# Altium PCB WX0.000.863拼板.PcbDoc (part 4 of 15) (continued)
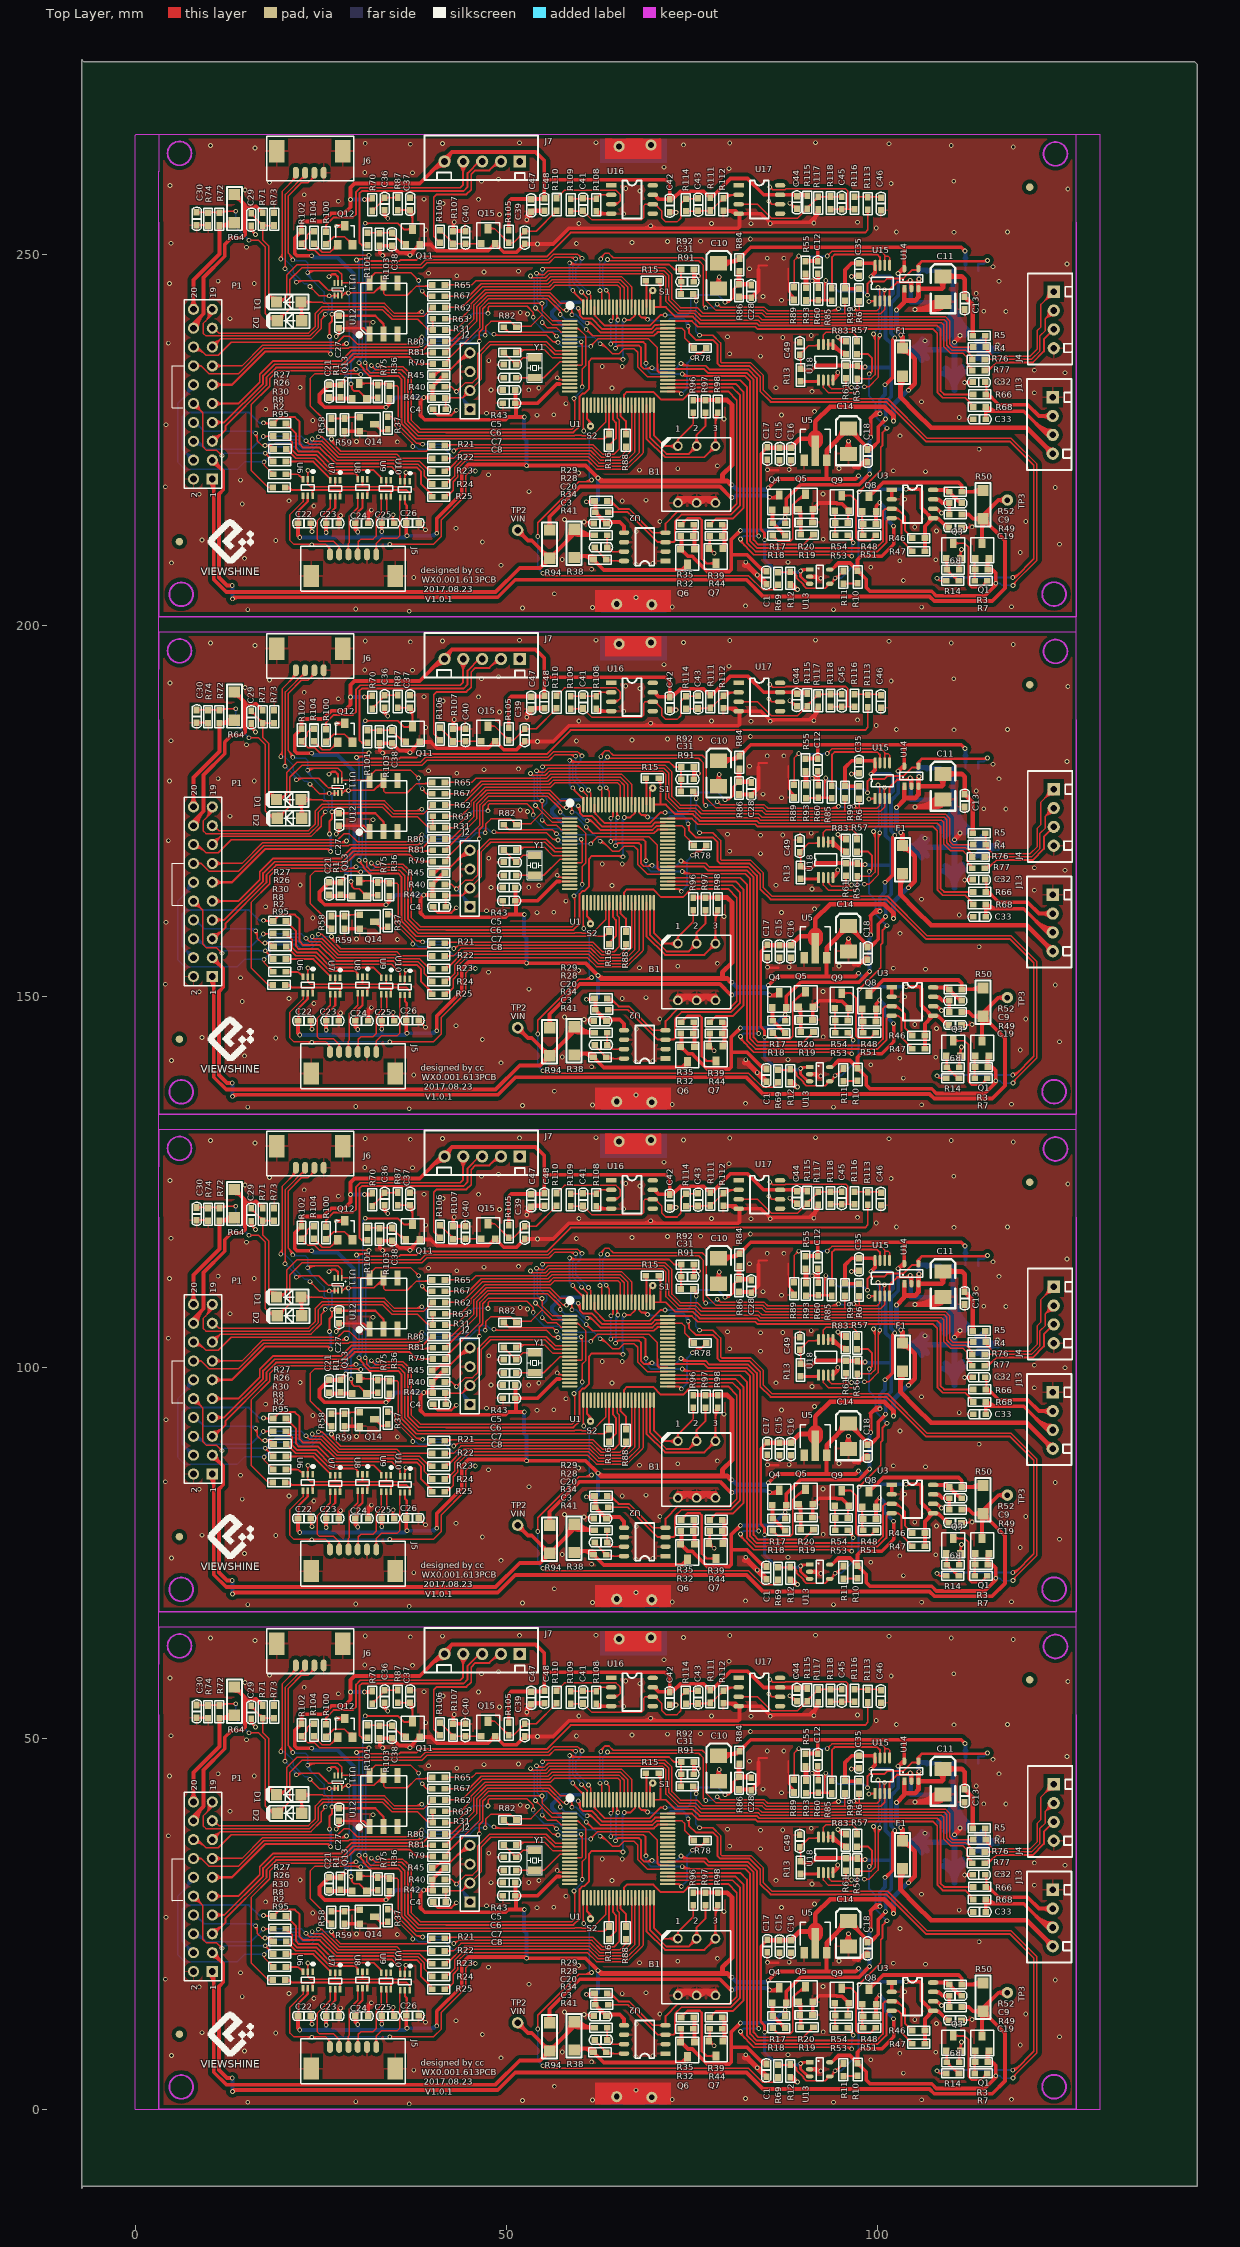
[diagram p0: Top Layer view]
## Nets (pads, with @x,y where several pads share a name; then routed paths per layer and width w, separated by ;. In a path a pad name is that pad's centre, name@x,y a point inside that pad or via, vN(x,y) a via of type N, cw(c..) or ccw(c..) an arc to the next point about the centre after c; other vN are vias at no path point) (continued)
; 33.73,219.238 cw(c33.605,219.113) 33.782,219.113 cw(c33.959,219.113) 33.834,219.238 ; 33.782,16.172 33.858,16.096 33.858,14.402 ; 33.782,18.372 33.782,17.476 ; 33.782,83.228 33.858,83.152 33.858,81.458 ; 33.782,85.428 33.782,84.532 ; 33.782,150.284 33.858,150.208 33.858,148.514 ; 33.782,152.484 33.782,151.588 ; 33.782,217.34 33.858,217.264 33.858,215.57 ; 33.782,219.54 33.782,218.644 ; 33.785,56.271 cw(c34.284,55.772) 34.284,56.477 cw(c34.284,57.182) 33.785,56.684 ; 33.785,123.327 cw(c34.284,122.828) 34.284,123.533 cw(c34.284,124.238) 33.785,123.74 ; 33.785,190.383 cw(c34.284,189.884) 34.284,190.589 cw(c34.284,191.294) 33.785,190.796 ; 33.785,257.439 cw(c34.284,256.94) 34.284,257.645 cw(c34.284,258.35) 33.785,257.852 ; 33.834,51.74 ccw(c33.834,52.488) 34.363,51.959 ; 33.834,118.796 ccw(c33.834,119.544) 34.363,119.015 ; 33.834,185.852 ccw(c33.834,186.6) 34.363,186.071 ; 33.834,252.908 ccw(c33.834,253.656) 34.363,253.127 ; 33.841,31.42 cw(c33.841,30.742) 34.32,31.221 ; 33.841,98.476 cw(c33.841,97.798) 34.32,98.277 ; 33.841,165.532 cw(c33.841,164.854) 34.32,165.333 ; 33.841,232.588 cw(c33.841,231.91) 34.32,232.389 ; 33.858,14.8 33.858,14.402 ; 33.858,81.856 33.858,81.458 ; 33.858,148.912 33.858,148.514 ; 33.858,215.968 33.858,215.57 ; 33.894,51.74 cw(c33.894,51.077) 34.363,51.546 ; 33.894,118.796 cw(c33.894,118.133) 34.363,118.602 ; 33.894,185.852 cw(c33.894,185.189) 34.363,185.658 ; 33.894,252.908 cw(c33.894,252.245) 34.363,252.714 ; 34.011,26.949 34.519,26.949 ; 34.011,94.005 34.519,94.005 ; 34.011,161.061 34.519,161.061 ; 34.011,228.117 34.519,228.117 ; 34.263,26.802 cw(c34.519,26.654) 34.519,26.949 ; 34.263,27.096 ccw(c34.519,27.245) 34.519,26.949 ; 34.263,93.858 cw(c34.519,93.71) 34.519,94.005 ; 34.263,94.152 ccw(c34.519,94.301) 34.519,94.005 ; 34.263,160.914 cw(c34.519,160.766) 34.519,161.061 ; 34.263,161.208 ccw(c34.519,161.357) 34.519,161.061 ; 34.263,227.97 cw(c34.519,227.822) 34.519,228.117 ; 34.263,228.264 ccw(c34.519,228.413) 34.519,228.117 ; v1(34.29,9.754) 40.183,9.754 41.25,10.82 41.25,13.06 44.536,16.347 44.536,19.009 45.136,19.609 45.822,19.609 v1(45.822,19.634) ; v1(34.29,76.81) 40.183,76.81 41.25,77.876 41.25,80.116 44.536,83.403 44.536,86.065 45.136,86.665 45.822,86.665 v1(45.822,86.69) ; v1(34.29,143.866) 40.183,143.866 41.25,144.932 41.25,147.172 44.536,150.459 44.536,153.121 45.136,153.721 45.822,153.721 v1(45.822,153.746) ; v1(34.29,210.922) 40.183,210.922 41.25,211.988 41.25,214.228 44.536,217.515 44.536,220.177 45.136,220.777 45.822,220.777 v1(45.822,220.802) ; v1@34.443,9.601 cw(c34.811,9.232) 34.811,9.754 cw(c34.811,10.275) v1@34.443,9.906 ; v1@34.443,76.657 cw(c34.811,76.288) 34.811,76.81 cw(c34.811,77.331) v1@34.443,76.962 ; v1@34.443,143.713 cw(c34.811,143.344) 34.811,143.866 cw(c34.811,144.387) v1@34.443,144.018 ; v1@34.443,210.769 cw(c34.811,210.4) 34.811,210.922 cw(c34.811,211.443) v1@34.443,211.074 ; 34.446,30.883 cw(c34.944,30.384) 34.944,31.09 cw(c34.944,31.795) 34.446,31.296 ; 34.446,97.939 cw(c34.944,97.44) 34.944,98.146 cw(c34.944,98.851) 34.446,98.352 ; 34.446,164.995 cw(c34.944,164.496) 34.944,165.202 cw(c34.944,165.907) 34.446,165.408 ; 34.446,232.051 cw(c34.944,231.552) 34.944,232.258 cw(c34.944,232.963) 34.446,232.464 ; 34.569,51.359 cw(c34.569,50.531) 35.155,51.116 ; 34.569,118.415 cw(c34.569,117.587) 35.155,118.172 ; 34.569,185.471 cw(c34.569,184.643) 35.155,185.228 ; 34.569,252.527 cw(c34.569,251.699) 35.155,252.284 ; 34.622,56.477 ccw(c34.622,57.225) 35.15,56.696 ; 34.622,123.533 ccw(c34.622,124.281) 35.15,123.752 ; 34.622,190.589 ccw(c34.622,191.337) 35.15,190.808 ; 34.622,257.645 ccw(c34.622,258.393) 35.15,257.864 ; 34.682,56.477 cw(c34.682,55.815) 35.15,56.283 ; 34.682,123.533 cw(c34.682,122.871) 35.15,123.339 ; 34.682,190.589 cw(c34.682,189.927) 35.15,190.395 ; 34.682,257.645 cw(c34.682,256.983) 35.15,257.451 ; 34.861,51.651 ccw(c35.444,51.651) 35.032,51.239 ; 34.861,118.707 ccw(c35.444,118.707) 35.032,118.295 ; 34.861,185.763 ccw(c35.444,185.763) 35.032,185.351 ; 34.861,252.819 ccw(c35.444,252.819) 35.032,252.407 ; 35.274,50.997 ccw(c36.424,52.146) 36.424,50.521 ; 35.274,118.053 ccw(c36.424,119.202) 36.424,117.577 ; 35.274,185.109 ccw(c36.424,186.258) 36.424,184.633 ; 35.274,252.165 ccw(c36.424,253.314) 36.424,251.689 ; 35.621,50.65 ccw(c36.424,51.452) 36.424,50.317 ; 35.621,117.706 ccw(c36.424,118.508) 36.424,117.373 ; 35.621,184.762 ccw(c36.424,185.564) 36.424,184.429 ; 35.621,251.818 ccw(c36.424,252.62) 36.424,251.485 ; 35.657,15.581 cw(c35.886,15.581) 35.724,15.743 ; 35.657,82.637 cw(c35.886,82.637) 35.724,82.799 ; 35.657,149.693 cw(c35.886,149.693) 35.724,149.855 ; 35.657,216.749 cw(c35.886,216.749) 35.724,216.911 ; 35.968,50.303 ccw(c36.424,50.759) 36.424,50.114 ; 35.968,117.359 ccw(c36.424,117.815) 36.424,117.17 ; 35.968,184.415 ccw(c36.424,184.871) 36.424,184.226 ; 35.968,251.471 ccw(c36.424,251.927) 36.424,251.282 ; 36.27,17.943 cw(c36.145,17.818) 36.322,17.818 cw(c36.499,17.818) 36.374,17.943 ; 36.27,18.547 ccw(c36.145,18.672) 36.322,18.672 ccw(c36.499,18.672) 36.374,18.547 ; 36.27,84.999 cw(c36.145,84.874) 36.322,84.874 cw(c36.499,84.874) 36.374,84.999 ; 36.27,85.603 ccw(c36.145,85.728) 36.322,85.728 ccw(c36.499,85.728) 36.374,85.603 ; 36.27,152.055 cw(c36.145,151.93) 36.322,151.93 cw(c36.499,151.93) 36.374,152.055 ; 36.27,152.659 ccw(c36.145,152.784) 36.322,152.784 ccw(c36.499,152.784) 36.374,152.659 ; 36.27,219.111 cw(c36.145,218.986) 36.322,218.986 cw(c36.499,218.986) 36.374,219.111 ; 36.27,219.715 ccw(c36.145,219.84) 36.322,219.84 ccw(c36.499,219.84) 36.374,219.715 ; 36.322,18.578 cw(c37.277,18.578) v1@36.602,19.253 ; 36.322,19.068 cw(c36.786,19.068) v1@36.458,19.397 ; 36.322,85.634 cw(c37.277,85.634) v1@36.602,86.309 ; 36.322,86.124 cw(c36.786,86.124) v1@36.458,86.453 ; 36.322,152.69 cw(c37.277,152.69) v1@36.602,153.365 ; 36.322,153.18 cw(c36.786,153.18) v1@36.458,153.509 ; 36.322,219.746 cw(c37.277,219.746) v1@36.602,220.421 ; 36.322,220.236 cw(c36.786,220.236) v1@36.458,220.565 ; v1(36.449,19.406) 36.424,19.431 36.322,19.329 36.322,18.245 36.322,17.704 36.094,17.476 33.782,17.476 ; v1(36.449,86.462) 36.424,86.487 36.322,86.385 36.322,85.301 36.322,84.76 36.094,84.532 33.782,84.532 ; v1(36.449,153.518) 36.424,153.543 36.322,153.441 36.322,152.357 36.322,151.816 36.094,151.588 33.782,151.588 ; v1(36.449,220.574) 36.424,220.599 36.322,220.497 36.322,219.413 36.322,218.872 36.094,218.644 33.782,218.644 ; v1(37.389,22.936) 37.287,23.038 37.287,23.394 ; v1(37.389,89.992) 37.287,90.094 37.287,90.45 ; v1(37.389,157.048) 37.287,157.15 37.287,157.506 ; v1(37.389,224.104) 37.287,224.206 37.287,224.562 ; v1@37.465,23.138 cw(c37.561,23.394) 37.287,23.394 ; v1@37.465,90.194 cw(c37.561,90.45) 37.287,90.45 ; v1@37.465,157.25 cw(c37.561,157.506) 37.287,157.506 ; v1@37.465,224.306 cw(c37.561,224.562) 37.287,224.562 ; 37.53,40.864 ccw(c37.53,42.166) v1@38.45,41.245 ; 37.53,107.92 ccw(c37.53,109.222) v1@38.45,108.301 ; 37.53,174.976 ccw(c37.53,176.278) v1@38.45,175.357 ; 37.53,242.032 ccw(c37.53,243.334) v1@38.45,242.413 ; v1@37.96,45.288 ccw(c37.439,45.288) 37.808,45.657 ccw(c38.176,46.025) v1@38.176,45.504 ; v1@37.96,112.344 ccw(c37.439,112.344) 37.808,112.713 ccw(c38.176,113.081) v1@38.176,112.56 ; v1@37.96,179.4 ccw(c37.439,179.4) 37.808,179.769 ccw(c38.176,180.137) v1@38.176,179.616 ; v1@37.96,246.456 ccw(c37.439,246.456) 37.808,246.825 ccw(c38.176,247.193) v1@38.176,246.672 ; 37.979,37.192 cw(c38.608,36.563) v1@38.608,37.452 ; 37.979,104.248 cw(c38.608,103.619) v1@38.608,104.508 ; 37.979,171.304 cw(c38.608,170.675) v1@38.608,171.564 ; 37.979,238.36 cw(c38.608,237.731) v1@38.608,238.62 ; 38.02,40.864 ccw(c38.02,41.675) v1@38.594,41.101 ; 38.02,107.92 ccw(c38.02,108.731) v1@38.594,108.157 ; 38.02,174.976 ccw(c38.02,175.787) v1@38.594,175.213 ; 38.02,242.032 ccw(c38.02,242.843) v1@38.594,242.269 ; 38.202,12.624 39.09,11.735 v1(39.09,11.709) ; 38.202,79.68 39.09,78.791 v1(39.09,78.765) ; 38.202,146.736 39.09,145.847 v1(39.09,145.821) ; 38.202,213.792 39.09,212.903 v1(39.09,212.877) ; 38.252,12.332 cw(c38.252,11.749) 38.664,12.161 ; 38.252,79.388 cw(c38.252,78.805) 38.664,79.217 ; 38.252,146.444 cw(c38.252,145.861) 38.664,146.273 ; 38.252,213.5 cw(c38.252,212.917) 38.664,213.329 ; v1@38.316,36.672 cw(c37.838,36.66) 38.176,36.322 ; v1@38.316,103.728 cw(c37.838,103.716) 38.176,103.378 ; v1@38.316,170.784 cw(c37.838,170.772) 38.176,170.434 ; v1@38.316,237.84 cw(c37.838,237.828) 38.176,237.49 ; 38.382,23.343 cw(c38.382,22.902) v1@38.7,23.207 ; 38.382,90.399 cw(c38.382,89.958) v1@38.7,90.263 ; 38.382,157.455 cw(c38.382,157.014) v1@38.7,157.319 ; 38.382,224.511 cw(c38.382,224.07) v1@38.7,224.375 ; v1@38.526,36.462 ccw(c38.514,35.984) 38.176,36.322 ; v1@38.526,103.518 ccw(c38.514,103.04) 38.176,103.378 ; v1@38.526,170.574 ccw(c38.514,170.096) 38.176,170.434 ; v1@38.526,237.63 ccw(c38.514,237.152) 38.176,237.49 ; v1(38.532,36.678) 38.176,36.322 ; v1(38.532,103.734) 38.176,103.378 ; v1(38.532,170.79) 38.176,170.434 ; v1(38.532,237.846) 38.176,237.49 ; 38.545,12.624 ccw(c39.372,12.624) 38.787,12.038 ; 38.545,79.68 ccw(c39.372,79.68) 38.787,79.094 ; 38.545,146.736 ccw(c39.372,146.736) 38.787,146.15 ; 38.545,213.792 ccw(c39.372,213.792) 38.787,213.206 ; v1@38.554,23.066 ccw(c37.907,22.447) 37.907,23.343 ; v1@38.554,90.122 ccw(c37.907,89.503) 37.907,90.399 ; v1@38.554,157.178 ccw(c37.907,156.559) 37.907,157.455 ; v1@38.554,224.234 ccw(c37.907,223.615) 37.907,224.511 ; v1@38.659,43.65 cw(c38.659,43.374) 38.854,43.569 ; v1(38.659,43.866) 38.659,43.764 39.245,43.178 40.025,43.178 ; v1@38.659,110.706 cw(c38.659,110.43) 38.854,110.625 ; v1(38.659,110.922) 38.659,110.82 39.245,110.234 40.025,110.234 ; v1@38.659,177.762 cw(c38.659,177.486) 38.854,177.681 ; v1(38.659,177.978) 38.659,177.876 39.245,177.29 40.025,177.29 ; v1@38.659,244.818 cw(c38.659,244.542) 38.854,244.737 ; v1(38.659,245.034) 38.659,244.932 39.245,244.346 40.025,244.346 ; 38.703,12.122 cw(c38.291,11.709) v1@38.874,11.709 ; 38.703,79.178 cw(c38.291,78.765) v1@38.874,78.765 ; 38.703,146.234 cw(c38.291,145.821) v1@38.874,145.821 ; 38.703,213.29 cw(c38.291,212.877) v1@38.874,212.877 ; v1(38.71,23.216) 38.71,23.343 37.907,23.343 ; v1(38.71,90.272) 38.71,90.399 37.907,90.399 ; v1(38.71,157.328) 38.71,157.455 37.907,157.455 ; v1(38.71,224.384) 38.71,224.511 37.907,224.511 ; 38.766,12.06 ccw(c39.09,12.384) v1@39.09,11.925 ; 38.766,79.116 ccw(c39.09,79.44) v1@39.09,78.981 ; 38.766,146.172 ccw(c39.09,146.496) v1@39.09,146.037 ; 38.766,213.228 ccw(c39.09,213.552) v1@39.09,213.093 ; v1@38.875,43.866 ccw(c39.641,43.866) 39.099,43.324 ; v1@38.875,110.922 ccw(c39.641,110.922) 39.099,110.38 ; v1@38.875,177.978 ccw(c39.641,177.978) 39.099,177.436 ; v1@38.875,245.034 ccw(c39.641,245.034) 39.099,244.492 ; 38.901,44.552 ccw(c38.901,45.777) 39.767,44.911 ; 38.901,111.608 ccw(c38.901,112.833) 39.767,111.967 ; 38.901,178.664 ccw(c38.901,179.889) 39.767,179.023 ; 38.901,245.72 ccw(c38.901,246.945) 39.767,246.079 ; 38.914,20.319 ccw(c39.954,21.359) 39.954,19.888 ; 38.914,87.375 ccw(c39.954,88.415) 39.954,86.944 ; 38.914,154.431 ccw(c39.954,155.471) 39.954,154 ; 38.914,221.487 ccw(c39.954,222.527) 39.954,221.056 ; 39.261,19.972 ccw(c39.954,20.665) 39.954,19.685 ; 39.261,87.028 ccw(c39.954,87.721) 39.954,86.741 ; 39.261,154.084 ccw(c39.954,154.777) 39.954,153.797 ; 39.261,221.14 ccw(c39.954,221.833) 39.954,220.853 ; 39.391,44.552 ccw(c39.391,45.287) 39.911,44.767 ; 39.391,111.608 ccw(c39.391,112.343) 39.911,111.823 ; 39.391,178.664 ccw(c39.391,179.399) 39.911,178.879 ; 39.391,245.72 ccw(c39.391,246.455) 39.911,245.935 ; 39.42,18.46 cw(c38.834,17.875) 39.662,17.875 ; 39.42,22.452 ccw(c38.834,23.037) 39.662,23.037 ; 39.42,85.516 cw(c38.834,84.931) 39.662,84.931 ; 39.42,89.508 ccw(c38.834,90.093) 39.662,90.093 ; 39.42,152.572 cw(c38.834,151.987) 39.662,151.987 ; 39.42,156.564 ccw(c38.834,157.149) 39.662,157.149 ; 39.42,219.628 cw(c38.834,219.043) 39.662,219.043 ; 39.42,223.62 ccw(c38.834,224.205) 39.662,224.205 ; 39.458,41.074 ccw(c38.855,41.677) 39.707,41.677 ; 39.458,108.13 ccw(c38.855,108.733) 39.707,108.733 ; 39.458,175.186 ccw(c38.855,175.789) 39.707,175.789 ; 39.458,242.242 ccw(c38.855,242.845) 39.707,242.845 ; 39.542,18.338 ccw(c39.954,18.75) 39.954,18.167 ; 39.542,22.575 cw(c39.954,22.163) 39.954,22.745 ; 39.542,85.394 ccw(c39.954,85.806) 39.954,85.223 ; 39.542,89.631 cw(c39.954,89.219) 39.954,89.801 ; 39.542,152.45 ccw(c39.954,152.862) 39.954,152.279 ; 39.542,156.687 cw(c39.954,156.275) 39.954,156.857 ; 39.542,219.506 ccw(c39.954,219.918) 39.954,219.335 ; 39.542,223.743 cw(c39.954,223.331) 39.954,223.913 ; 39.593,38.811 cw(c39.593,38.463) 39.917,38.591 ; 39.593,105.867 cw(c39.593,105.519) 39.917,105.647 ; 39.593,172.923 cw(c39.593,172.575) 39.917,172.703 ; 39.593,239.979 cw(c39.593,239.631) 39.917,239.759 ; 39.605,41.221 cw(c39.999,40.827) 39.999,41.385 ; 39.605,108.277 cw(c39.999,107.883) 39.999,108.441 ; 39.605,175.333 cw(c39.999,174.939) 39.999,175.497 ; 39.605,242.389 cw(c39.999,241.995) 39.999,242.553 ; 39.728,38.516 ccw(c39.294,38.344) 39.294,38.811 ; 39.728,105.572 ccw(c39.294,105.4) 39.294,105.867 ; 39.728,172.628 ccw(c39.294,172.456) 39.294,172.923 ; 39.728,239.684 ccw(c39.294,239.512) 39.294,239.979 ; 39.748,21.11 ccw(c39.249,20.611) 39.249,21.317 ccw(c39.249,22.022) 39.748,21.523 ; 39.748,88.166 ccw(c39.249,87.667) 39.249,88.373 ccw(c39.249,89.078) 39.748,88.579 ; 39.748,155.222 ccw(c39.249,154.723) 39.249,155.429 ccw(c39.249,156.134) 39.748,155.635 ; 39.748,222.278 ccw(c39.249,221.779) 39.249,222.485 ccw(c39.249,223.19) 39.748,222.691 ; 39.767,42.971 ccw(c39.269,42.472) 39.269,43.178 ccw(c39.269,43.883) 39.767,43.384 ; 39.767,110.027 ccw(c39.269,109.528) 39.269,110.234 ccw(c39.269,110.939) 39.767,110.44 ; 39.767,177.083 ccw(c39.269,176.584) 39.269,177.29 ccw(c39.269,177.995) 39.767,177.496 ; 39.767,244.139 ccw(c39.269,243.64) 39.269,244.346 ccw(c39.269,245.051) 39.767,244.552 ; 39.844,38.831 ccw(c39.345,39.329) 40.05,39.329 ccw(c40.755,39.329) 40.257,38.831 ; 39.844,39.944 cw(c39.345,39.445) 40.05,39.445 cw(c40.755,39.445) 40.257,39.944 ; 39.844,105.887 ccw(c39.345,106.385) 40.05,106.385 ccw(c40.755,106.385) 40.257,105.887 ; 39.844,107 cw(c39.345,106.501) 40.05,106.501 cw(c40.755,106.501) 40.257,107 ; 39.844,172.943 ccw(c39.345,173.441) 40.05,173.441 ccw(c40.755,173.441) 40.257,172.943 ; 39.844,174.056 cw(c39.345,173.557) 40.05,173.557 cw(c40.755,173.557) 40.257,174.056 ; 39.844,239.999 ccw(c39.345,240.497) 40.05,240.497 ccw(c40.755,240.497) 40.257,239.999 ; 39.844,241.112 cw(c39.345,240.613) 40.05,240.613 cw(c40.755,240.613) 40.257,241.112 ; 40.025,44.704 39.872,44.552 37.897,44.552 36.652,43.307 33.706,43.307 33.452,43.561 33.452,44.977 32.112,43.637 28.296,43.637 ; 40.025,111.76 39.872,111.608 37.897,111.608 36.652,110.363 33.706,110.363 33.452,110.617 33.452,112.033 32.112,110.693 28.296,110.693 ; 40.025,178.816 39.872,178.664 37.897,178.664 36.652,177.419 33.706,177.419 33.452,177.673 33.452,179.089 32.112,177.749 28.296,177.749 ; 40.025,245.872 39.872,245.72 37.897,245.72 36.652,244.475 33.706,244.475 33.452,244.729 33.452,246.145 32.112,244.805 28.296,244.805 ; 40.05,38.624 40.05,40.061 ; 40.05,38.811 39.878,38.811 39.726,38.811 39.294,38.811 ; 40.05,105.68 40.05,107.117 ; 40.05,105.867 39.878,105.867 39.726,105.867 39.294,105.867 ; 40.05,172.736 40.05,174.173 ; 40.05,172.923 39.878,172.923 39.726,172.923 39.294,172.923 ; 40.05,239.792 40.05,241.229 ; 40.05,239.979 39.878,239.979 39.726,239.979 39.294,239.979 ; 40.259,21.317 40.005,21.317 35.798,21.317 35.24,21.874 27.514,21.874 25.157,24.232 ; 40.259,88.373 40.005,88.373 35.798,88.373 35.24,88.93 27.514,88.93 25.157,91.288 ; 40.259,155.429 40.005,155.429 35.798,155.429 35.24,155.986 27.514,155.986 25.157,158.344 ; 40.259,222.485 40.005,222.485 35.798,222.485 35.24,223.042 27.514,223.042 25.157,225.4 ; 41.046,51.752 cw(c41.046,50.925) 41.632,51.51 ; 41.046,52.095 42.824,50.317 42.824,50.216 42.863,50.254 44.475,50.254 46.571,50.254 46.584,50.267 ; 41.046,118.808 cw(c41.046,117.981) 41.632,118.566 ; 41.046,119.151 42.824,117.373 42.824,117.272 42.863,117.31 44.475,117.31 46.571,117.31 46.584,117.323 ; 41.046,185.864 cw(c41.046,185.037) 41.632,185.622 ; 41.046,186.207 42.824,184.429 42.824,184.328 42.863,184.366 44.475,184.366 46.571,184.366 46.584,184.379 ; 41.046,252.92 cw(c41.046,252.093) 41.632,252.678 ; 41.046,253.263 42.824,251.485 42.824,251.384 42.863,251.422 44.475,251.422 46.571,251.422 46.584,251.435 ; 41.338,52.045 ccw(c41.921,52.045) 41.509,51.633 ; 41.338,119.101 ccw(c41.921,119.101) 41.509,118.689 ; 41.338,186.157 ccw(c41.921,186.157) 41.509,185.745 ; 41.338,253.213 ccw(c41.921,253.213) 41.509,252.801 ; 41.596,29.26 cw(c41.075,28.739) 41.812,28.739 ; 41.596,96.316 cw(c41.075,95.795) 41.812,95.795 ; 41.596,163.372 cw(c41.075,162.851) 41.812,162.851 ; 41.596,230.428 cw(c41.075,229.907) 41.812,229.907 ; 41.6,28.147 ccw(c41.088,28.659) 41.812,28.659 ; 41.6,95.203 ccw(c41.088,95.715) 41.812,95.715 ; 41.6,162.259 ccw(c41.088,162.771) 41.812,162.771 ; 41.6,229.315 ccw(c41.088,229.827) 41.812,229.827 ; 41.707,21.317 42.856,21.317 43.881,22.342 46.914,22.342 ; 41.707,23.037 41.814,23.144 46.101,23.144 ; 41.707,88.373 42.856,88.373 43.881,89.398 46.914,89.398 ; 41.707,90.093 41.814,90.2 46.101,90.2 ; 41.707,155.429 42.856,155.429 43.881,156.454 46.914,156.454 ; 41.707,157.149 41.814,157.256 46.101,157.256 ; 41.707,222.485 42.856,222.485 43.881,223.51 46.914,223.51 ; 41.707,224.205 41.814,224.312 46.101,224.312 ; 41.727,30.988 42.596,30.988 v1(43.256,30.328) 44.475,31.547 45.441,31.547 46.135,32.241 46.135,35.467 47.727,37.059 ; 41.727,43.178 44.922,43.178 46.6,44.856 55.608,44.856 56.183,45.43 60.35,45.43 65.335,45.43 66.375,44.391 66.375,41.703 ; 41.727,44.704 43.485,44.704 45.339,44.704 45.893,45.258 55.397,45.258 55.971,45.832 58.496,45.832 65.502,45.832 66.777,44.557 66.777,44.549 66.875,44.45 66.875,41.703 ; 41.727,98.044 42.596,98.044 v1(43.256,97.384) 44.475,98.603 45.441,98.603 46.135,99.297 46.135,102.523 47.727,104.115 ; 41.727,110.234 44.922,110.234 46.6,111.912 55.608,111.912 56.183,112.486 60.35,112.486 65.335,112.486 66.375,111.447 66.375,108.759 ; 41.727,111.76 43.485,111.76 45.339,111.76 45.893,112.314 55.397,112.314 55.971,112.888 58.496,112.888 65.502,112.888 66.777,111.613 66.777,111.605 66.875,111.506 66.875,108.759 ; 41.727,165.1 42.596,165.1 v1(43.256,164.44) 44.475,165.659 45.441,165.659 46.135,166.353 46.135,169.579 47.727,171.171 ; 41.727,177.29 44.922,177.29 46.6,178.968 55.608,178.968 56.183,179.542 60.35,179.542 65.335,179.542 66.375,178.503 66.375,175.815 ; 41.727,178.816 43.485,178.816 45.339,178.816 45.893,179.37 55.397,179.37 55.971,179.944 58.496,179.944 65.502,179.944 66.777,178.669 66.777,178.661 66.875,178.562 66.875,175.815 ; 41.727,232.156 42.596,232.156 v1(43.256,231.496) 44.475,232.715 45.441,232.715 46.135,233.409 46.135,236.635 47.727,238.227 ; 41.727,244.346 44.922,244.346 46.6,246.024 55.608,246.024 56.183,246.598 60.35,246.598 65.335,246.598 66.375,245.559 66.375,242.871 ; 41.727,245.872 43.485,245.872 45.339,245.872 45.893,246.426 55.397,246.426 55.971,247 58.496,247 65.502,247 66.777,245.725 66.777,245.717 66.875,245.618 66.875,242.871 ; 41.752,34.036 41.752,34.298 46.426,38.972 46.426,41.67 47.606,42.85 55.55,42.85 57.251,41.148 ; 41.752,37.211 42.711,37.211 45.623,40.124 45.623,42.002 47.274,43.652 55.882,43.652 57.273,42.262 58.322,42.262 58.826,41.758 v1(58.826,40.691) v1@58.707,40.81 ; 41.752,38.624 43.145,38.624 45.006,40.485 v1(45.006,40.425) ; 41.752,40.15 43.859,40.15 45.222,41.514 45.222,42.169 47.107,44.054 55.941,44.054 56.515,44.628 64.999,44.628 65.375,44.251 65.375,41.703 65.375,42.803 ; 41.752,41.677 43.988,41.677 46.766,44.455 55.775,44.455 56.349,45.029 65.169,45.029 65.875,44.323 65.875,41.703 ; 41.752,101.092 41.752,101.354 46.426,106.028 46.426,108.726 47.606,109.906 55.55,109.906 57.251,108.204 ; 41.752,104.267 42.711,104.267 45.623,107.18 45.623,109.058 47.274,110.708 55.882,110.708 57.273,109.318 58.322,109.318 58.826,108.814 v1(58.826,107.747) v1@58.707,107.866 ; 41.752,105.68 43.145,105.68 45.006,107.541 v1(45.006,107.481) ; 41.752,107.206 43.859,107.206 45.222,108.57 45.222,109.225 47.107,111.11 55.941,111.11 56.515,111.684 64.999,111.684 65.375,111.307 65.375,108.759 65.375,109.859 ; 41.752,108.733 43.988,108.733 46.766,111.511 55.775,111.511 56.349,112.085 65.169,112.085 65.875,111.379 65.875,108.759 ; 41.752,168.148 41.752,168.41 46.426,173.084 46.426,175.782 47.606,176.962 55.55,176.962 57.251,175.26 ; 41.752,171.323 42.711,171.323 45.623,174.236 45.623,176.114 47.274,177.764 55.882,177.764 57.273,176.374 58.322,176.374 58.826,175.87 v1(58.826,174.803) v1@58.707,174.922 ; 41.752,172.736 43.145,172.736 45.006,174.597 v1(45.006,174.537) ; 41.752,174.262 43.859,174.262 45.222,175.626 45.222,176.281 47.107,178.166 55.941,178.166 56.515,178.74 64.999,178.74 65.375,178.363 65.375,175.815 65.375,176.915 ; 41.752,175.789 43.988,175.789 46.766,178.567 55.775,178.567 56.349,179.141 65.169,179.141 65.875,178.435 65.875,175.815 ; 41.752,235.204 41.752,235.466 46.426,240.14 46.426,242.838 47.606,244.018 55.55,244.018 57.251,242.316 ; 41.752,238.379 42.711,238.379 45.623,241.292 45.623,243.17 47.274,244.82 55.882,244.82 57.273,243.43 58.322,243.43 58.826,242.926 v1(58.826,241.859) v1@58.707,241.978 ; 41.752,239.792 43.145,239.792 45.006,241.653 v1(45.006,241.593) ; 41.752,241.318 43.859,241.318 45.222,242.682 45.222,243.337 47.107,245.222 55.941,245.222 56.515,245.796 64.999,245.796 65.375,245.419 65.375,242.871 65.375,243.971 ; 41.752,242.845 43.988,242.845 46.766,245.623 55.775,245.623 56.349,246.197 65.169,246.197 65.875,245.491 65.875,242.871 ; 41.758,16.243 ccw(c41.758,16.948) 42.256,16.449 ; 41.758,16.446 ccw(c41.758,17.642) 42.603,16.796 ; 41.758,17.964 ccw(c41.758,18.669) 42.256,18.17 ; 41.758,18.167 ccw(c41.758,19.363) 42.603,18.517 ; 41.758,19.685 ccw(c41.758,20.39) 42.256,19.891 ; 41.758,19.888 ccw(c41.758,21.084) 42.603,20.238 ; 41.758,35.566 46.025,39.833 46.025,41.836 47.44,43.251 55.716,43.251 57.641,41.326 ; 41.758,83.299 ccw(c41.758,84.004) 42.256,83.505 ; 41.758,83.502 ccw(c41.758,84.698) 42.603,83.852 ; 41.758,85.02 ccw(c41.758,85.725) 42.256,85.226 ; 41.758,85.223 ccw(c41.758,86.419) 42.603,85.573 ; 41.758,86.741 ccw(c41.758,87.446) 42.256,86.947 ; 41.758,86.944 ccw(c41.758,88.14) 42.603,87.294 ; 41.758,102.622 46.025,106.889 46.025,108.892 47.44,110.307 55.716,110.307 57.641,108.382 ; 41.758,150.355 ccw(c41.758,151.06) 42.256,150.561 ; 41.758,150.558 ccw(c41.758,151.754) 42.603,150.908 ; 41.758,152.076 ccw(c41.758,152.781) 42.256,152.282 ; 41.758,152.279 ccw(c41.758,153.475) 42.603,152.629 ; 41.758,153.797 ccw(c41.758,154.502) 42.256,154.003 ; 41.758,154 ccw(c41.758,155.196) 42.603,154.35 ; 41.758,169.678 46.025,173.945 46.025,175.948 47.44,177.363 55.716,177.363 57.641,175.438 ; 41.758,217.411 ccw(c41.758,218.116) 42.256,217.617 ; 41.758,217.614 ccw(c41.758,218.81) 42.603,217.964 ; 41.758,219.132 ccw(c41.758,219.837) 42.256,219.338 ; 41.758,219.335 ccw(c41.758,220.531) 42.603,219.685 ; 41.758,220.853 ccw(c41.758,221.558) 42.256,221.059 ; 41.758,221.056 ccw(c41.758,222.252) 42.603,221.406 ; 41.758,236.734 46.025,241.001 46.025,243.004 47.44,244.419 55.716,244.419 57.641,242.494 ; 41.803,35.864 ccw(c41.803,36.474) 42.234,36.042 ; 41.803,102.92 ccw(c41.803,103.53) 42.234,103.098 ; 41.803,169.976 ccw(c41.803,170.586) 42.234,170.154 ; 41.803,237.032 ccw(c41.803,237.642) 42.234,237.21 ; 41.812,27.94 41.812,29.404 41.752,29.464 44.069,29.464 ; 41.812,28.632 ccw(c42.498,28.632) 42.013,28.147 ; 41.812,28.783 cw(c42.486,28.783) 42.009,29.26 cw(c42.502,28.767) 42.502,29.464 ; 41.812,94.996 41.812,96.46 41.752,96.52 44.069,96.52 ; 41.812,95.688 ccw(c42.498,95.688) 42.013,95.203 ; 41.812,95.839 cw(c42.486,95.839) 42.009,96.316 cw(c42.502,95.823) 42.502,96.52 ; 41.812,162.052 41.812,163.516 41.752,163.576 44.069,163.576 ; 41.812,162.744 ccw(c42.498,162.744) 42.013,162.259 ; 41.812,162.895 cw(c42.486,162.895) 42.009,163.372 cw(c42.502,162.879) 42.502,163.576 ; 41.812,229.108 41.812,230.572 41.752,230.632 44.069,230.632 ; 41.812,229.8 ccw(c42.498,229.8) 42.013,229.315 ; 41.812,229.951 cw(c42.486,229.951) 42.009,230.428 cw(c42.502,229.935) 42.502,230.632 ; 41.82,22.975 cw(c42.231,22.564) 42.231,23.144 ; 41.82,90.031 cw(c42.231,89.62) 42.231,90.2 ; 41.82,157.087 cw(c42.231,156.676) 42.231,157.256 ; 41.82,224.143 cw(c42.231,223.732) 42.231,224.312 ; 41.869,37.038 cw(c42.255,36.692) 42.255,37.211 ; 41.869,104.094 cw(c42.255,103.748) 42.255,104.267 ; 41.869,171.15 cw(c42.255,170.804) 42.255,171.323 ; 41.869,238.206 cw(c42.255,237.86) 42.255,238.379 ; 41.892,34.045 cw(c42.839,34.045) 42.169,34.715 ; 41.892,101.101 cw(c42.839,101.101) 42.169,101.771 ; 41.892,168.157 cw(c42.839,168.157) 42.169,168.827 ; 41.892,235.213 cw(c42.839,235.213) 42.169,235.883 ; 41.961,16.154 42.824,17.018 42.824,18.171 43.429,18.775 43.429,19.929 44.557,21.057 48.285,21.057 ; 41.961,17.875 43.028,18.942 43.028,20.095 44.472,21.539 48.158,21.539 ; 41.961,19.596 44.306,21.941 47.6,21.941 ; 41.961,83.21 42.824,84.074 42.824,85.227 43.429,85.831 43.429,86.985 44.557,88.113 48.285,88.113 ; 41.961,84.931 43.028,85.998 43.028,87.151 44.472,88.595 48.158,88.595 ; 41.961,86.652 44.306,88.997 47.6,88.997 ; 41.961,150.266 42.824,151.13 42.824,152.283 43.429,152.887 43.429,154.041 44.557,155.169 48.285,155.169 ; 41.961,151.987 43.028,153.054 43.028,154.207 44.472,155.651 48.158,155.651 ; 41.961,153.708 44.306,156.053 47.6,156.053 ; 41.961,217.322 42.824,218.186 42.824,219.339 43.429,219.943 43.429,221.097 44.557,222.225 48.285,222.225 ; 41.961,219.043 43.028,220.11 43.028,221.263 44.472,222.707 48.158,222.707 ; 41.961,220.764 44.306,223.109 47.6,223.109 ; 41.964,21.11 cw(c42.463,20.611) 42.463,21.317 cw(c42.463,22.022) 41.964,21.523 ; 41.964,22.831 cw(c42.721,22.074) 42.721,23.144 ; 41.964,23.244 ccw(c42.204,23.484) 42.204,23.144 ; 41.964,88.166 cw(c42.463,87.667) 42.463,88.373 cw(c42.463,89.078) 41.964,88.579 ; 41.964,89.887 cw(c42.721,89.13) 42.721,90.2 ; 41.964,90.3 ccw(c42.204,90.54) 42.204,90.2 ; 41.964,155.222 cw(c42.463,154.723) 42.463,155.429 cw(c42.463,156.134) 41.964,155.635 ; 41.964,156.943 cw(c42.721,156.186) 42.721,157.256 ; 41.964,157.356 ccw(c42.204,157.596) 42.204,157.256 ; 41.964,222.278 cw(c42.463,221.779) 42.463,222.485 cw(c42.463,223.19) 41.964,222.691 ; 41.964,223.999 cw(c42.721,223.242) 42.721,224.312 ; 41.964,224.412 ccw(c42.204,224.652) 42.204,224.312 ; 41.984,30.761 cw(c42.533,30.212) 42.533,30.988 ; 41.984,31.174 ccw(c42.432,31.622) 42.432,30.988 ; 41.984,42.971 cw(c42.483,42.472) 42.483,43.178 cw(c42.483,43.883) 41.984,43.384 ; 41.984,44.497 cw(c42.483,43.999) 42.483,44.704 cw(c42.483,45.409) 41.984,44.911 ; 41.984,97.817 cw(c42.533,97.268) 42.533,98.044 ; 41.984,98.23 ccw(c42.432,98.678) 42.432,98.044 ; 41.984,110.027 cw(c42.483,109.528) 42.483,110.234 cw(c42.483,110.939) 41.984,110.44 ; 41.984,111.553 cw(c42.483,111.055) 42.483,111.76 cw(c42.483,112.465) 41.984,111.967 ; 41.984,164.873 cw(c42.533,164.324) 42.533,165.1 ; 41.984,165.286 ccw(c42.432,165.734) 42.432,165.1 ; 41.984,177.083 cw(c42.483,176.584) 42.483,177.29 cw(c42.483,177.995) 41.984,177.496 ; 41.984,178.609 cw(c42.483,178.111) 42.483,178.816 cw(c42.483,179.521) 41.984,179.023 ; 41.984,231.929 cw(c42.533,231.38) 42.533,232.156 ; 41.984,232.342 ccw(c42.432,232.79) 42.432,232.156 ; 41.984,244.139 cw(c42.483,243.64) 42.483,244.346 cw(c42.483,245.051) 41.984,244.552 ; 41.984,245.665 cw(c42.483,245.167) 42.483,245.872 cw(c42.483,246.577) 41.984,246.079 ; 42.009,29.673 ccw(c42.514,30.177) 42.514,29.464 ; 42.009,37.304 ccw(c42.235,37.53) 42.235,37.211 ; 42.009,38.418 cw(c42.508,37.919) 42.508,38.624 cw(c42.508,39.329) 42.009,38.831 ; 42.009,39.944 cw(c42.508,39.445) 42.508,40.15 cw(c42.508,40.856) 42.009,40.357 ; 42.009,41.47 cw(c42.508,40.972) 42.508,41.677 cw(c42.508,42.382) 42.009,41.883 ; 42.009,96.729 ccw(c42.514,97.233) 42.514,96.52 ; 42.009,104.36 ccw(c42.235,104.586) 42.235,104.267 ; 42.009,105.474 cw(c42.508,104.975) 42.508,105.68 cw(c42.508,106.385) 42.009,105.887